# Altium PCB MB1364.PcbDoc (part 5 of 8)
Units mm, origin at the board's own origin, x right, y up, seen from the top; angles counter-clockwise.
Board outline 70 x 133.34 mm, 6 copper layers (Top Layer, Signal Layer 1, Signal Layer 2, Signal Layer 3, Signal Layer 4, Bottom Layer), stack 1.57 mm thick; 321 components, 287 nets, 1372 pads, 2051 vias.
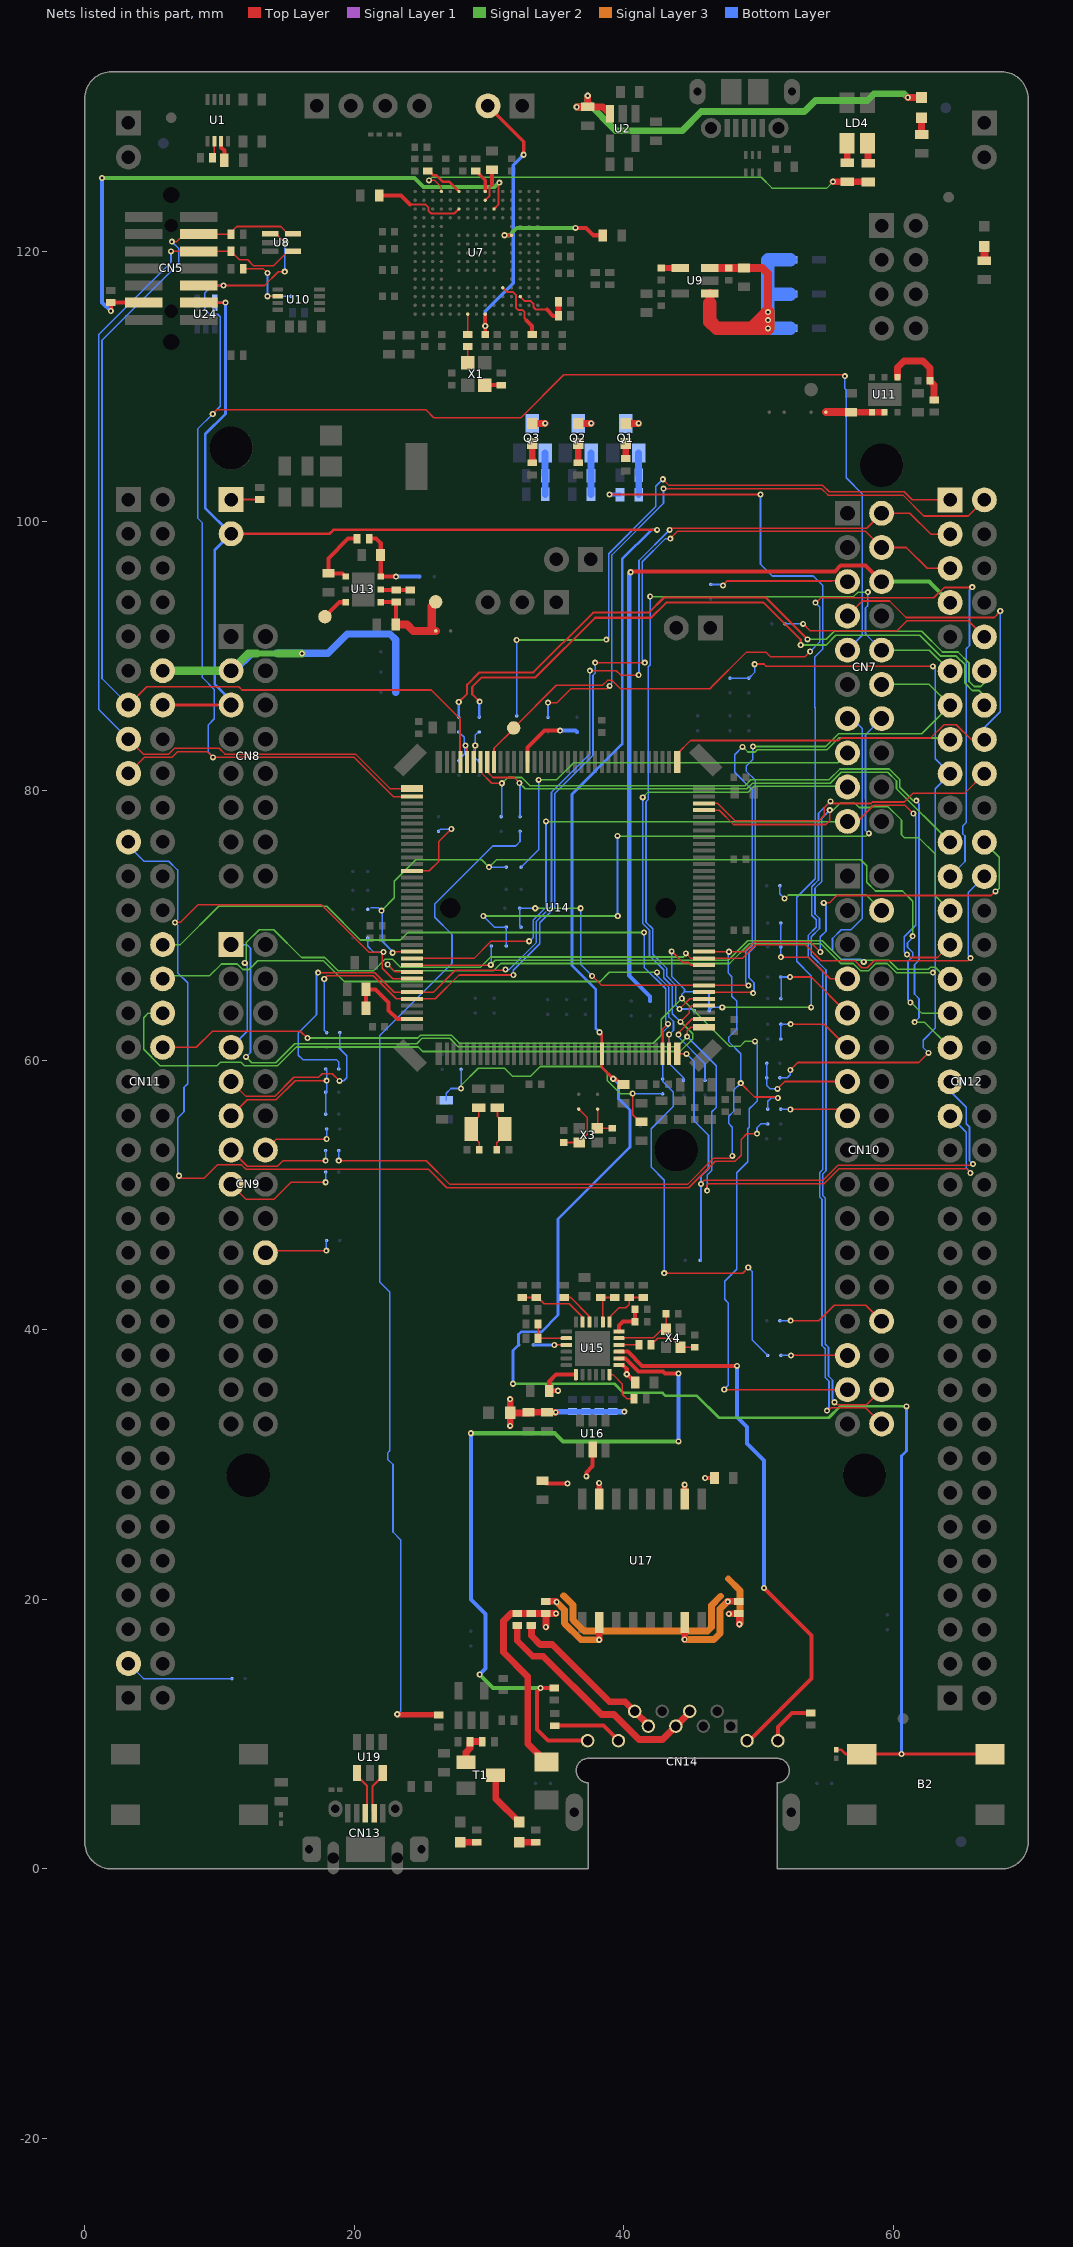
[diagram p9: the nets of this part, all layers, seen from the top]

## Via types
v1: diameter 0.45, hole 0.2, Top Layer to Bottom Layer, tented both sides, 1975 vias
v2: diameter 0.45, hole 0.2, Top Layer to Bottom Layer, tented top, 67 vias
v3: diameter 0.6, hole 0.3, Top Layer to Bottom Layer, tented both sides, 9 vias

## Nets (pads, with @x,y where several pads share a name; then routed paths per layer and width w, separated by ;. In a path a pad name is that pad's centre, name@x,y a point inside that pad or via, vN(x,y) a via of type N, cw(c..) or ccw(c..) an arc to the next point about the centre after c; other vN are vias at no path point) (continued)
GNDDetect: CN5.11 R17.2 U7.K13 | length 45.2
  Top Layer w0.15: U7.K13@30.366,123.154 30.691,123.479 30.691,125.029 v1(30.766,125.104)
  Top Layer w0.3: v1(1.941,115.579) R17.2@1.941,116.204 CN5.11@4.389,116.204
  Signal Layer 2 w0.3: v1(1.291,125.454) 24.466,125.454 25.136,124.784 30.396,124.784 30.741,125.129 v1(30.766,125.104)
  Bottom Layer w0.3: v1(1.291,125.454) 1.291,116.229 v1(1.941,115.579)
IOREF: CN8.3 CN11.12 SB10.2 SB11.2 SB20.2 | length 28.3
  Signal Layer 2 w0.45: 12.774,90.169 14.356,90.169
  Signal Layer 2 w0.6: CN11.12@5.786,88.899 CN8.3@10.866,88.899 12.136,90.169 12.774,90.169 ; 14.356,90.169 16.106,90.169 v1(16.116,90.179)
  Bottom Layer w0.4: 12.504,90.179 14.221,90.179
  Bottom Layer w0.5: CN8.3@10.866,88.899 11.124,88.899 12.404,90.179 12.504,90.179
  Bottom Layer w0.55: 14.221,90.179 v1(16.116,90.179) 18.029,90.179 19.475,91.625 22.65,91.625 23.075,91.2 SB10.2@23.075,90.3 SB11.2@23.075,88.8 SB20.2@23.075,87.3
LED_STLK: R8.2 R9.2 U7.D15 | length 34.7
  Top Layer w0.12: v1(25.541,125.279) 25.952,125.279 26.466,124.764 U7.D15@26.466,124.454 ; R8.2@56.564,125.179 R8.2@56.566,125.177 ; R9.2@58.091,125.177 R9.2@58.116,125.152
  Top Layer w0.5: v1(55.516,125.179) R8.2@56.564,125.179 ; R8.2@56.566,125.177 R9.2@58.091,125.177
  Signal Layer 2 w0.12: v1(25.541,125.279) 25.771,125.509 50.184,125.509 50.989,124.704 55.066,124.704 55.541,125.179 v1(55.516,125.179)
NetC7_2: C7.2 U7.J14 | length 2.5
  Top Layer w0.15: U7.J14@29.716,123.804 30.036,124.124 30.036,124.774 30.216,124.954
  Top Layer w0.3: 30.216,124.954 C7.2@30.216,126.054
NetC12_2: C12.2 U7.F13 | length 6.8
  Top Layer w0.15: 24.141,123.479 24.146,123.484 25.289,123.484 25.496,123.276 25.496,123.021 25.694,122.824 27.436,122.824 U7.F13@27.766,123.154
  Top Layer w0.3: C12.2@21.841,124.154 23.466,124.154 24.141,123.479
NetC13_2: C13.2 U7.M10 | length 8.3
  Top Layer w0.25: v1(31.141,121.204) U7.M10@31.666,121.204
  Top Layer w0.3: v1(36.416,121.754) 37.191,121.754 37.741,121.204 C13.2@38.441,121.204
  Signal Layer 2 w0.3: v1(31.141,121.204) 31.516,121.204 31.903,121.591 32.066,121.754 v1(36.416,121.754)
NetC18_1: C18.1 C20.2 D1.2 D2.2 D3.2 U9.1 U9.3 | length 29.3
  Top Layer w0.45: C20.2@47.785,118.779 C20.2@47.794,118.77 ; C18.1@48.907,118.77 C18.1@48.916,118.779
  Top Layer w0.6: U9.3@46.391,118.779 C20.2@47.785,118.779 ; C20.2@47.794,118.77 C18.1@48.907,118.77 ; C18.1@48.916,118.779 50.266,118.779 50.691,118.354 v1(50.691,115.504)
  Top Layer w0.7: 46.391,116.154 U9.1@46.391,116.879
  Top Layer w1: 46.391,116.154 46.391,114.804 46.896,114.299 49.486,114.299 ; 49.486,114.299 v1(50.691,115.504) v1(50.691,114.904) v1(50.691,114.299) 49.486,114.299
  Signal Layer 2 w1: v1(50.691,114.299) v1(50.691,114.904) v1(50.691,115.504)
  Signal Layer 3 w1: v1(50.691,114.299) v1(50.691,114.904) v1(50.691,115.504)
  Bottom Layer w0.5: 50.691,119.354 50.716,119.379
  Bottom Layer w0.7: 50.691,116.779 50.751,116.839
  Bottom Layer w1: 50.691,119.354 50.691,116.779 v1(50.691,115.504) v1(50.691,114.904) v1(50.691,114.299) D3.2@52.341,114.299 ; 50.716,119.379 D1.2@52.341,119.379 ; 50.751,116.839 D2.2@52.341,116.839
NetC19_2: C19.2 U9.4 | length 1.4
  Top Layer w0.45: C19.2@42.791,118.779 U9.4@44.191,118.779
NetC28_2: C28.2 JP1.2 U7.J1 | length 20.1
  Top Layer w0.25: C28.2@29.716,113.854 v1(29.716,114.479) U7.J1@29.716,115.354 ; JP1.2@29.916,130.809 32.566,128.159 v1(32.566,127.179)
  Bottom Layer w0.25: v1(29.716,114.479) 29.716,115.579 31.791,117.654 31.791,126.404 v1(32.566,127.179)
NetC38_1: C38.1 R25.1 U11.1 | length 6
  Top Layer w0.5: U11.1@60.298,110.676 60.298,111.386 60.791,111.879 62.191,111.879 62.716,111.354 C38.1@62.716,110.404 63.016,110.104 R25.1@63.016,108.979
NetC39_2: C39.2 SB2.1 U11.4 U11.5 | length 4.4
  Top Layer w0.45: C39.2@56.866,108.079 56.869,108.076 U11.4@58.398,108.076 U11.5@59.348,108.076
  Top Layer w0.6: SB2.1@54.991,108.079 C39.2@56.866,108.079
NetC43_2: C43.2 R30.2 SB6.2 U13.6 | length 6.3
  Top Layer w0.3: R30.2@21.116,98.704 21.616,98.704 21.966,98.354 U13.6@21.966,95.879 v1(23.091,95.879)
  Bottom Layer w0.3: v1(23.091,95.879) SB6.2@24.841,95.879
NetC44_2: C44.2 R30.1 U13.1 | length 5.3
  Top Layer w0.3: U13.1@19.366,95.879 19.12,96.125 C44.2@18.075,96.125 18.075,97.238 19.541,98.704 R30.1@20.216,98.704
NetC45_2: C45.2 R31.2 SB80.1 TP2.1 U13.4 | length 8.2
  Top Layer w0.3: U13.4@21.99,94.01 23.09,94.01 R31.2@23.1,94 23.1,93.361 23.099,93.36 C45.2@23.099,92.356
  Top Layer w0.6: C45.2@23.075,92.325 23.9,92.325 24.375,91.85 25.75,91.85 ; TP2.1@26.041,94.004 25.75,93.713 25.75,91.85 ; SB80.1@26.05,91.85 25.75,91.85
NetC68_2: C68.2 R74.1 SB51.1 SB58.1 | length 23.1
  Top Layer w0.12: v1(40.65,57.525) 40.65,55.95 41.175,55.425 C68.2@41.325,55.425
  Signal Layer 2 w0.12: v1(27.925,57.9) 27.925,58.123 29.207,59.405 31.145,59.405 31.75,58.8 33.06,58.8 33.792,59.532 38.343,59.532 38.775,59.1 38.775,58.491 39.74,57.525 v1(40.65,57.525)
  Bottom Layer w0.12: R74.1@26.825,57.025 26.825,57.55 27.175,57.9 v1(27.925,57.9) SB51.1@27.925,59.325 ; v1(40.65,57.525) 42.85,57.525 SB58.1@42.875,57.5
NetC74_2: C74.2 C76.2 U15.6 | length 2.7
  Top Layer w0.3: U15.6@39.641,39.879 39.641,40.304 39.941,40.604 C76.2@40.841,40.604 C74.2@40.841,41.529
NetC75_2: C75.2 U15.5 X4.3 | length 4.9
  Top Layer w0.12: U15.5@39.641,39.379 39.641,39.409 42.196,39.409 42.841,40.054 X4.3@43.141,40.054 C75.2@43.141,41.179
NetC77_2: C77.2 R50.1 X4.1 | length 3.8
  Top Layer w0.12: R50.1@42.016,38.879 42.516,39.379 43.566,39.379 44.191,38.754 X4.1@44.191,38.704 C77.2@45.266,38.704
NetC78_2: C78.2 C79.1 C80.2 C81.2 C82.2 C83.2 L1.1 R75.2 R76.2 R77.2 R78.2 U15.1 U15.19 U16.5 U17.2 U17.7 | length 23.1
  Top Layer w0.3: C83.2@33.95,28.875 34.234,28.591 35.121,28.591 v1(35.821,28.591) ; v1(35.116,35.479) C79.1@34.466,35.479 34.466,36.179 34.966,36.679 U15.19@36.441,36.679 ; v1(37.216,29.129) 37.216,29.404 37.691,29.879 U16.5@37.691,31.129 ; U15.1@39.641,37.379 39.916,37.379 40.216,37.079 v1(40.216,36.704) C78.2@40.841,36.079 ; v1(46.029,29.009) C82.2@46.729,29.009
  Top Layer w0.4: v1@38.15,28.575 38.171,28.554 U17.7@38.171,27.434 ; U17.2@44.521,27.434 44.525,27.438 v1@44.525,28.45
  Top Layer w0.5: v1(31.565,32.875) 31.565,33.875 L1.1@31.566,33.874 ; L1.1@31.566,33.854 L1.1@31.566,33.874 ; v1(31.566,34.854) L1.1@31.566,33.874 ; v1(34.941,33.879) C81.2@34.291,33.879 33.021,33.879 32.975,33.832 31.608,33.832 L1.1@31.566,33.874
  Bottom Layer w0.4: v1(34.941,33.879) 34.991,33.929 R78.2@36.191,33.929 R77.2@37.191,33.929 R76.2@38.191,33.929 R75.2@39.191,33.929 v1(40.041,33.929)
  other v1: 44.516,28.504 38.166,28.629
NetC85_2: C85.2 R52.1 R53.1 R54.1 R55.1 | length 37.9
  Top Layer w0.3: R52.1@34.141,18.904 R52.1@34.191,18.954 R52.1@34.216,18.929 ; R53.1@48.516,18.979 48.566,18.929 R53.1@48.616,18.979
  Top Layer w0.5: v1(34.216,17.954) R52.1@34.216,18.929 ; C85.2@34.25,7.925 32.866,9.309 32.866,14.279 31.066,16.079 31.066,18.4 31.62,18.954 R54.1@32.091,18.954 R55.1@33.141,18.954 R52.1@34.191,18.954 v1(34.966,18.954) ; v1(47.791,18.929) 48.566,18.929 v1(48.566,18.154)
  Signal Layer 3 w0.5: 35.525,20.275 36.22,19.58 36.22,18.482 37.053,17.649 46.224,17.649 46.505,17.93 46.505,19.557 47.187,20.238 ; 47.746,21.529 48.625,20.65 48.625,18.213 v1(48.566,18.154)
NetCN7_5: CN7.5 SB7.2 | length 10.3
  Top Layer w0.127: v1(47.35,95.225) 47.685,95.56 55.425,95.56 55.435,95.57 56.519,95.57 CN7.5@56.586,95.503
  Bottom Layer w0.127: SB7.2@46.45,95.3 47.275,95.3 v1(47.35,95.225)
NetCN7_6: CN7.6 CN12.7 SB42.1 | length 57.5
  Top Layer w0.3: v1(40.505,96.205) 40.575,96.275 55.668,96.275 56.091,96.698 57.931,96.698 CN7.6@59.126,95.503
  Signal Layer 2 w0.3: CN7.6@59.126,95.503 62.657,95.503 CN12.7@64.206,93.954
  Bottom Layer w0.3: v1(40.505,96.205) 40.4,96.1 40.4,66.275 41.95,64.725 SB42.1@41.95,64.4
NetCN7_14: CN7.14 SB33.1 SB35.1 | length 47.4
  Signal Layer 2 w0.12: v1(29.575,70.7) v1(39.55,70.7) ; v1(39.525,76.65) 39.5,76.625 56.121,76.625 56.128,76.618 57.967,76.618 v1(58.178,76.829)
  Bottom Layer w0.12: v1(29.575,70.7) 30.4,69.875 SB33.1@31.275,69.875 SB35.1@31.275,68.475 ; v1(39.525,76.65) 39.525,70.725 v1(39.55,70.7) ; v1(58.178,76.829) 58.175,76.826 58.175,76.8 57.931,77.044 57.931,78.883 57.935,78.887 57.935,79.345 57.931,79.349 57.931,84.148 CN7.14@59.126,85.343
NetCN7_15: CN7.15 SB26.2 | length 30.8
  Signal Layer 2 w0.12: v1(33.677,80.804) 33.681,80.8 35,80.8 36.28,82.08 55.863,82.08 CN7.15@56.586,82.803
  Signal Layer 3 w0.12: v1@33.677,80.802 v1(33.677,80.804)
  Bottom Layer w0.12: SB26.2@32.375,74.325 33.677,75.627 v1(33.677,80.804)
NetCN9_9: CN9.9 SB53.2 SB55.2 | length 13.6
  Top Layer w0.12: CN9.9@10.866,58.419 11.971,57.314 14.099,57.314 15.513,58.728 17.352,58.728 17.625,59 18.375,59 v1(18.9,58.475)
  Bottom Layer w0.12: v1(18.9,58.475) 19.225,58.475 19.45,58.7 19.45,60.325 18.925,60.85 SB53.2@18.925,60.95 SB55.2@18.925,62.05
NetCN9_11: CN9.11 SB60.2 SB62.2 SB65.2 | length 11.6
  Top Layer w0.12: CN9.11@10.866,55.879 12.061,57.074 14.198,57.074 15.612,58.488 v1(17.95,58.488)
  Bottom Layer w0.12: SB60.2@17.875,56 SB65.2@17.875,57.625 17.95,57.7 v1(17.95,58.488) 17.95,59.275 SB62.2@17.875,59.35
NetCN9_13: CN9.13 SB69.2 | length 8.4
  Top Layer w0.12: CN9.13@10.866,53.339 12.061,52.144 14.3,52.144 14.706,52.55 v1(17.875,52.55)
  Bottom Layer w0.12: v1(17.875,52.55) SB69.2@17.875,53.3
NetCN9_14: CN9.14 SB67.1 | length 5.6
  Top Layer w0.12: CN9.14@13.406,53.339 14.217,54.15 v1(17.95,54.15)
  Bottom Layer w0.12: v1(17.95,54.15) SB67.1@17.95,54.9
NetCN9_15: CN9.15 SB70.2 | length 8.7
  Top Layer w0.12: CN9.15@10.866,50.799 11.971,49.694 14.044,49.694 15.3,50.95 v1(17.875,50.95)
  Bottom Layer w0.12: v1(17.875,50.95) SB70.2@17.875,51.7
NetCN9_20: CN9.20 SB71.1 | length 5.3
  Top Layer w0.12: CN9.20@13.406,45.719 13.562,45.875 v1(17.925,45.875)
  Bottom Layer w0.12: v1(17.925,45.875) SB71.1@17.925,46.625
NetCN10_4: CN10.4 SB28.1 | length 8.9
  Signal Layer 2 w0.12: v1(51.925,72) 51.925,71.975 52.212,72.262 57.983,72.262 CN10.4@59.126,71.119
  Bottom Layer w0.12: SB28.1@51.575,72.944 51.575,72.35 v1(51.925,72)
NetCN10_7: CN10.7 SB37.2 SB38.2 | length 8.1
  Top Layer w0.12: v1(51.65,67.65) 53.704,67.65 55.316,66.039 CN10.7@56.586,66.039
  Bottom Layer w0.12: v1(51.65,67.65) SB38.2@51.65,68.4 SB37.2@51.65,70.175
NetCN10_9: CN10.9 SB48.2 SB49.2 | length 7.7
  Top Layer w0.127: v1(52.325,66.175) 53.91,66.175 CN10.9@56.586,63.499
  Bottom Layer w0.127: SB49.2@51.65,64.575 51.687,64.612 SB48.2@51.687,66.175 ; SB48.2@51.65,66.175 SB48.2@51.687,66.175 ; v1(52.325,66.175) SB48.2@51.687,66.175
NetCN10_11: CN10.11 SB50.2 SB54.2 | length 6.7
  Top Layer w0.127: v1(52.375,62.675) 54.87,62.675 CN10.11@56.586,60.959
  Bottom Layer w0.127: SB54.2@51.65,61.575 SB50.2@51.65,62.675 v1(52.375,62.675)
NetCN10_13: CN10.13 SB59.2 SB61.2 | length 8
  Top Layer w0.12: v1(51.4,57.875) 51.944,58.419 CN10.13@56.586,58.419
  Bottom Layer w0.12: SB59.2@50.6,59.775 SB61.2@50.6,58.7 50.6,58.125 50.85,57.875 v1(51.4,57.875)
NetCN10_15: CN10.15 SB63.2 | length 5.1
  Top Layer w0.12: v1(52.35,56.35) 56.115,56.35 CN10.15@56.586,55.879
  Bottom Layer w0.12: SB63.2@51.65,56.375 52.325,56.375 v1(52.35,56.35)
NetCN10_28: CN10.28 SB73.1 | length 8.5
  Top Layer w0.12: v1(52.375,40.675) 54.45,40.675 55.6,41.825 57.94,41.825 CN10.28@59.126,40.639
  Bottom Layer w0.12: SB73.1@51.575,40.675 v1(52.375,40.675)
NetCN10_29: CN10.29 SB75.2 | length 4.9
  Top Layer w0.12: v1(52.399,38.099) CN10.29@56.586,38.099
  Bottom Layer w0.12: SB75.2@51.65,38.1 52.398,38.1 v1(52.399,38.099)
NetCN11_69: CN11.69 SB81.2 | length 8.1
  Bottom Layer w0.12: CN11.69@3.246,15.239 4.36,14.125 SB81.2@10.925,14.125
NetCN12_1: CN12.1 SB15.2 | length 47.9
  Top Layer w0.12: v1(38.702,91.204) 38.704,91.204 v1@38.729,91.179 ; v1(42.891,103.104) 43.351,102.644 54.765,102.644 55.241,102.168 60.806,102.168 61.4,101.574 CN12.1@64.206,101.574
  Signal Layer 2 w0.12: v1(32.052,91.179) v1@38.729,91.179
  Bottom Layer w0.12: SB15.2@32.05,85.55 v1(32.052,91.179) v1(32.052,91.179) ; v1(38.702,91.204) 38.875,91.378 38.875,97.586 42.375,101.086 42.375,102.588 v1(42.891,103.104)
NetCN12_2: CN12.2 SB14.1 | length 47.6
  Top Layer w0.12: v1(34.375,86.525) 35.036,86.525 36.081,87.57 38.745,87.57 v1(38.95,87.775) ; v1(42.943,102.406) 42.941,102.404 54.666,102.404 55.142,101.928 60.706,101.928 62.255,100.379 65.551,100.379 CN12.2@66.746,101.574
  Bottom Layer w0.12: SB14.1@34.375,85.45 v1(34.375,86.525) ; v1(38.95,87.775) 38.95,87.85 39.115,88.015 39.115,97.487 42.943,101.315 v1(42.943,102.406)
NetCN12_10: CN12.10 SB82.1 | length 15.8
  Top Layer w0.12: v1(53.3,92.375) 53.817,91.858 60.258,91.858 61.009,92.609 65.551,92.609 CN12.10@66.746,91.414
  Bottom Layer w0.12: SB82.1@51.95,92.375 v1(53.3,92.375)
NetCN12_12: CN12.12 SB17.1 | length 48.7
  Top Layer w0.155: v1(27.75,86.575) 28.369,87.194 28.369,87.858 29.292,88.781 33.292,88.781 37.717,93.206 41.856,93.206 42.981,94.331 50.526,94.331 v1(53.628,91.229)
  Signal Layer 2 w0.13: v1(53.628,91.229) 55.004,91.229 55.608,91.833 62.088,91.833 63.637,90.284 64.79,90.284 65.616,89.458 65.616,88.1 65.991,87.725 66.475,87.725 66.746,87.996 CN12.12@66.746,88.874
  Bottom Layer w0.155: SB17.1@27.75,85.45 v1(27.75,86.575)
NetCN12_14: CN12.14 SB16.1 | length 48.3
  Top Layer w0.155: v1(29.3,86.6) 28.75,87.15 28.75,87.7 29.45,88.4 33.45,88.4 37.875,92.825 42.014,92.825 43.139,93.95 50.368,93.95 53.125,91.193 v1(53.125,90.8)
  Signal Layer 2 w0.13: v1(53.125,90.8) 54.999,90.8 55.732,91.533 61.964,91.533 63.513,89.984 64.666,89.984 65.316,89.334 65.316,87.976 65.867,87.425 66.375,87.425 66.746,87.054 CN12.14@66.746,86.334
  Bottom Layer w0.12: SB16.1@29.275,85.45 SB16.1@29.3,85.475
  Bottom Layer w0.155: SB16.1@29.275,85.45 29.275,86.575 v1(29.3,86.6)
NetCN13_2: CN13.2 U19.6 | length 3.4
  Top Layer w0.155: CN13.2@21.473,4.139 21.338,4.273 21.338,6.122 22.116,6.9 U19.6@22.116,7.129
NetCN13_3: CN13.3 U19.4 | length 3.4
  Top Layer w0.155: U19.4@20.216,7.129 20.216,6.9 20.957,6.158 20.957,4.273 CN13.3@20.823,4.139
NetCN14_4: CN14.4 CN14.5 R54.2 | length 17.9
  Top Layer w0.5: R54.2@32.091,18.054 32.091,16.929 33.241,15.779 34.016,15.779 38.341,11.454 39.266,11.454 41.116,9.604 42.863,9.604 CN14.5@43.859,10.6 44.879,11.62 CN14.4@44.879,11.7
NetCN14_7: CN14.7 CN14.8 R55.2 | length 12.3
  Top Layer w0.5: R55.2@33.141,18.054 33.141,17.304 33.791,16.654 34.691,16.654 38.941,12.404 40.095,12.404 CN14.8@40.799,11.7 41.819,10.68 CN14.7@41.819,10.6
NetCN14_9: CN14.9 R58.2 | length 3.9
  Top Layer w0.3: CN14.9@51.429,9.52 51.429,10.516 52.491,11.579 R58.2@53.866,11.579
NetCN14_10: CN14.10 U15.3 | length 41.4
  Top Layer w0.3: U15.3@39.641,38.379 40.291,38.379 41.341,37.329 48.396,37.329 v1(48.4,37.325) ; CN14.10@49.139,9.52 49.32,9.52 53.925,14.125 53.925,17.325 v1(50.4,20.85)
  Bottom Layer w0.3: v1(48.4,37.325) 48.4,33.526 49.135,32.792 49.135,31.565 50.4,30.3 v1(50.4,20.85)
NetCN14_11: CN14.11 R59.2 | length 5.2
  Top Layer w0.3: R59.2@34.866,10.629 38.489,10.629 CN14.11@39.599,9.52
NetCN14_12: CN14.12 R57.2 U15.2 | length 57.4
  Top Layer w0.3: R57.2@34.841,13.423 34.835,13.429 v1(33.816,13.429) 33.541,13.154 33.541,10.354 34.375,9.52 CN14.12@37.309,9.52 ; U15.2@39.641,37.879 40.116,37.879 41.091,36.904 42.891,36.904 43.041,36.754 v1(44.05,36.754)
  Signal Layer 2 w0.3: v1(28.65,32.325) 34.875,32.325 35.475,31.725 v1(44.05,31.725) ; v1(29.3,14.425) 30.296,13.429 v1(33.816,13.429)
  Bottom Layer w0.3: v1(28.65,32.325) 28.65,20 29.75,18.9 29.75,14.875 v1(29.3,14.425) ; v1(44.05,31.725) v1(44.05,36.754)
NetJP3_1: JP3.1 R29.2 | length 2.1
  Top Layer w0.12: JP3.1@10.866,101.599 10.871,101.604 R29.2@12.991,101.604
NetLD1_1: LD1.1 R26.1 | length 1.1
  Top Layer w0.5: R26.1@40.141,104.629 LD1.1@40.141,105.747
NetLD1_2: LD1.2 Q1.3 | length 1.9
  Top Layer w0.5: LD1.2@40.141,107.247 41.092,107.247 v1(41.099,107.254)
  Bottom Layer w0.5: Q1.3@40.141,107.247 41.092,107.247 v1(41.099,107.254)
NetLD2_1: LD2.1 R28.1 | length 1.2
  Top Layer w0.5: R28.1@36.616,104.579 LD2.1@36.616,105.747
NetLD2_2: LD2.2 Q2.3 | length 1.9
  Top Layer w0.5: LD2.2@36.616,107.247 37.567,107.247 v1(37.574,107.254)
  Bottom Layer w0.5: Q2.3@36.616,107.247 37.567,107.247 v1(37.574,107.254)
NetLD3_1: LD3.1 R27.1 | length 1.2
  Top Layer w0.5: LD3.1@33.208,105.747 33.208,104.587 R27.1@33.216,104.579
NetLD3_2: LD3.2 Q3.3 | length 1.9
  Top Layer w0.5: LD3.2@33.208,107.247 34.159,107.247 v1(34.166,107.254)
  Bottom Layer w0.5: Q3.3@33.208,107.247 34.159,107.247 v1(34.166,107.254)
NetLD4_2: LD4.2 R9.1 | length 1.5
  Top Layer w0.5: LD4.2@58.066,128.029 58.116,127.979 R9.1@58.116,126.552
NetLD4_3: LD4.3 R8.1 | length 1.5
  Top Layer w0.5: R8.1@56.566,126.577 LD4.3@56.566,128.029
NetLD5_1: LD5.1 R12.1 | length 1
  Top Layer w0.6: R12.1@66.746,119.319 LD5.1@66.746,120.369
NetLD6_1: LD6.1 R2.1 | length 1.2
  Top Layer w0.5: R2.1@62.091,128.679 LD6.1@62.091,129.929
NetLD6_2: LD6.2 R1.1 U2.3 | length 31.9
  Top Layer w0.5: v1(36.498,130.724) 36.503,130.729 R1.1@37.325,130.729 ; v1(37.32,131.555) 37.325,131.55 R1.1@37.325,130.729 ; U2.3@38.966,130.214 38.451,130.729 R1.1@37.325,130.729 ; v1(61.066,131.429) LD6.2@62.091,131.429
  Signal Layer 2 w0.5: v1(36.498,130.724) 36.986,130.724 37.32,131.058 ; v1(37.32,131.555) 37.32,131.058 ; v1(61.066,131.429) 60.791,131.704 58.557,131.704 58.057,131.204 54.216,131.204 53.391,130.379 45.741,130.379 44.316,128.954 39.424,128.954 37.32,131.058
NetLD7_1: LD7.1 R65.1 | length 1.2
  Top Layer w0.5: LD7.1@27.866,1.979 R65.1@29.091,1.979
NetLD8_1: LD8.1 R66.1 | length 1.2
  Top Layer w0.5: LD8.1@32.241,1.979 R66.1@33.466,1.979
NetLD8_2: LD8.2 T1.3 | length 4.2
  Top Layer w0.5: T1.3@30.491,6.954 30.491,5.229 LD8.2@32.241,3.479
NetQ1_1: Q1.1 R68.2 R73.2 | length 3.1
  Bottom Layer w0.5: Q1.1@41.091,105.047 41.091,103.405 R68.2@41.111,103.385 41.114,103.382 R73.2@41.114,101.967
NetQ2_1: Q2.1 R69.2 R71.2 | length 3.1
  Bottom Layer w0.5: R71.2@37.566,101.979 R69.2@37.566,103.379 Q2.1@37.566,105.047
NetQ3_1: Q3.1 R70.2 R72.2 | length 3.1
  Bottom Layer w0.5: Q3.1@34.158,105.047 34.158,103.387 R70.2@34.166,103.379 R72.2@34.166,101.979
NetR3_2: R3.2 U1.6 | length 1.3
  Top Layer w0.12: R3.2@9.491,126.954 9.616,127.079 U1.6@9.616,128.179
NetR4_2: R4.2 U1.7 | length 1.5
  Top Layer w0.3: U1.7@10.116,128.179 10.116,127.729 10.366,127.479 R4.2@10.366,126.779
NetR5_1: R5.1 U7.F15 | length 2.9
  Top Layer w0.2: R5.1@25.466,125.979 25.566,125.979 25.891,125.654 26.086,125.654 26.561,125.179 27.041,125.179 U7.F15@27.766,124.454
NetR6_2: R6.2 U7.J15 | length 1.8
  Top Layer w0.25: R6.2@29.016,125.979 29.716,125.279 U7.J15@29.716,124.454
NetR13_2: R13.2 SB5.2 U10.6 | length 6.1
  Top Layer w0.12: R13.2@11.766,118.729 11.786,118.709 13.261,118.709 v1(13.566,118.404) ; v1(13.566,116.679) U10.6@14.316,116.679
  Bottom Layer w0.12: v1(13.566,118.404) v1(13.566,116.679) SB5.2@15.291,116.679
NetR18_1: R18.1 R20.1 U7.N3 | length 4.6
  Top Layer w0.15: U7.N3@32.316,116.654 32.646,116.324 33.099,116.324 33.286,116.136 33.286,115.881 33.484,115.684 34.296,115.684
  Top Layer w0.3: 34.296,115.684 34.751,115.229 R20.1@35.141,115.229